# KiCad board V5_main.kicad_pcb (continued)
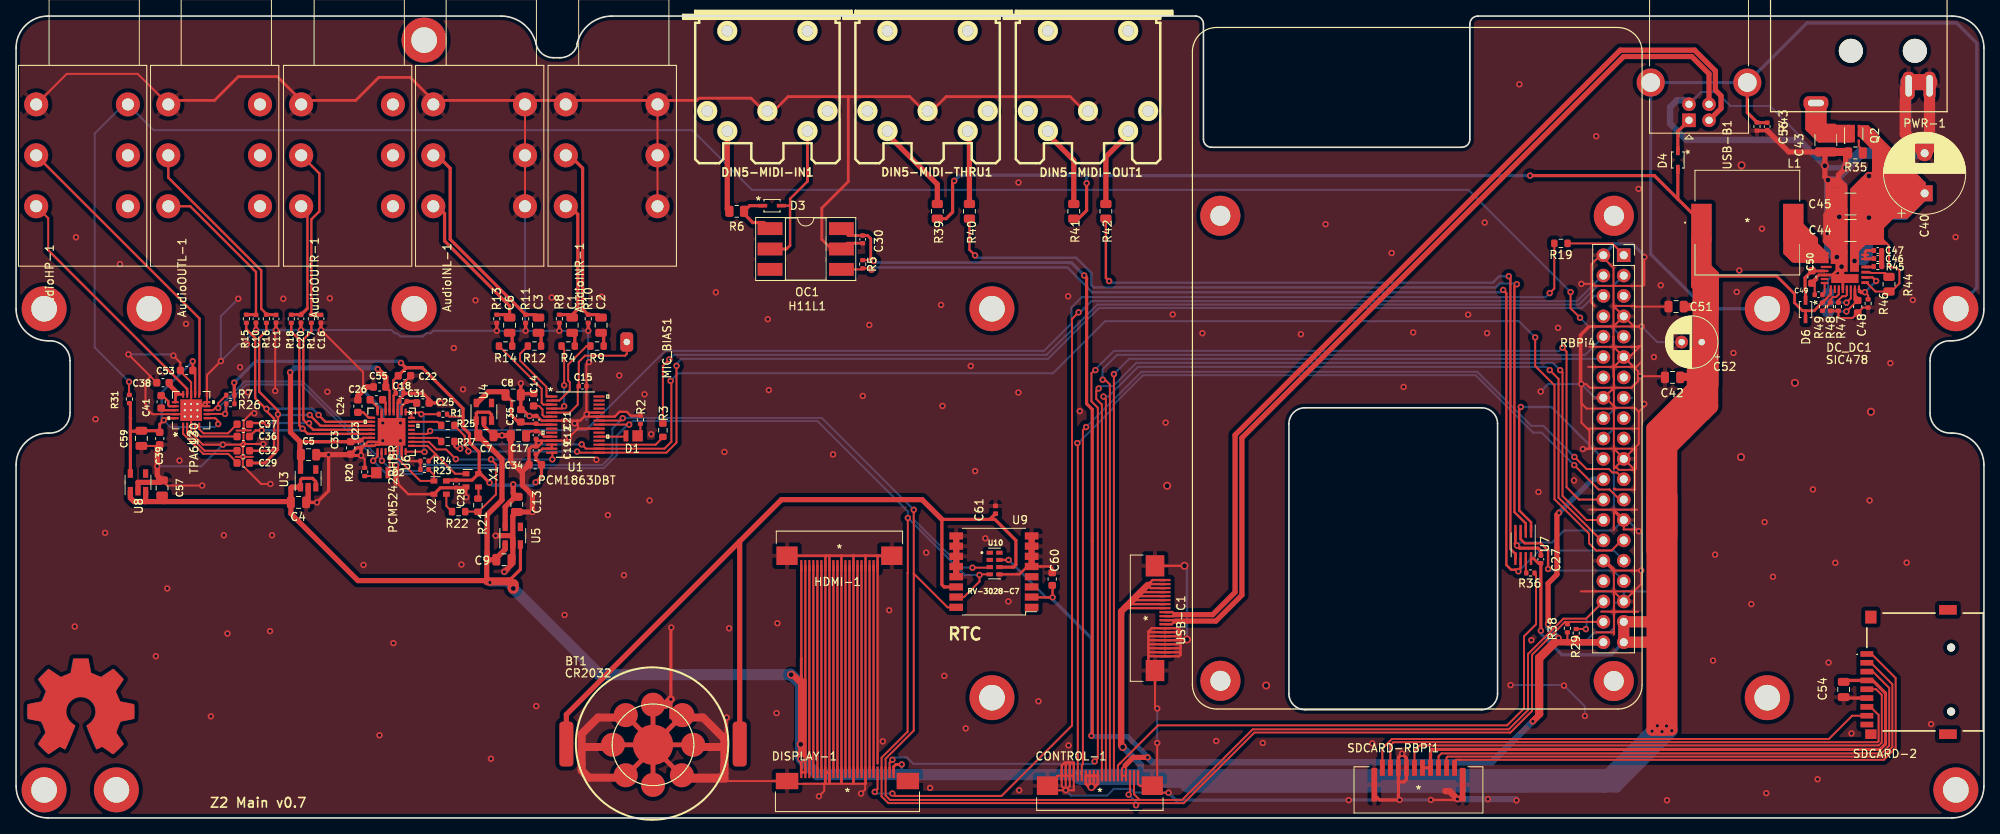
[diagram p0: board, top side]
## Routing (per net, layer and track width the routed paths; a pad name or vN(x,y) marks a point on that pad's centre or on a via; arc(x,y) is an arc through that point) (continued)
/dac/BCK: length 181.3
  Top w0.25: v1(70.48,46.59) 71.01,46.05 U1.17 80.8,46.05 81.66,46.91 81.66,54.32 81.64,54.34 ; R27.1 54.62,46.33 54.89,46.06 v1(55.34,46.06) ; RBPi4.12 200.06,34.62 198.8,33.35 196.9,33.35 196,34.25 196,35.45 191.69,39.75 191.69,53.95 189.29,56.36 v1(189.29,59.93)
  Bottom w0.25: v1(81.55,54.51) 82.49,55.45 129.19,55.45 135.69,61.95 187.26,61.95 v1(189.29,59.93) ; RBPi4.12 200.32,34.62 ; v1(55.34,46.06) 55.88,46.59 v1(70.48,46.59)
/dac/DIN: length 7.7
  Top w0.25: R19.1 198.9,71.65 200.32,70.22 RBPi4.40
  Bottom w0.25: RBPi4.40 200.32,70.08
/dac/DOUT: length 131.6
  Top w0.25: v1(81.39,57.17) 80.6,56.37 R3.2
  Bottom w0.25: v1(81.39,57.17) 81.98,57.75 128.39,57.75 130.76,60.12 130.83,60.12 134.72,64.01 194.74,64.01 196.27,65.55 196.3,65.55 197.1,66.35 199,66.35 200.28,67.64 RBPi4.38
/dac/LRCK: length 159.5
  Top w0.25: v1(56.36,45.72) 56.36,45.98 55.89,46.45 55.89,47.65 54.62,48.93 R25.1 ; v1(82.3,56.38) 82.3,46.81 81.03,45.55 U1.16 70.05,45.55 v1(69.91,45.69)
  Bottom w0.25: v1(82.3,56.38) 82.3,56.65 82.89,57.25 128.6,57.25 131.03,59.69 131.03,59.71 134.92,63.6 195.14,63.6 196.64,65.1 RBPi4.35 197.78,64.94 ; v1(69.91,45.69) 56.39,45.69 v1(56.36,45.72)
/MIDI-IN: length 137.2
  Top w0.25: 186.69,30.95 187,30.95 v1(187.19,30.75) ; v1(106.6,68.35) 106.41,68.54 R5.2 105.36,68.41 OC1.4
  Top w0.3: U7.6 187.47,31.22 187.19,30.95 186.3,30.95 185.69,31.55 185.69,65.45 v1(185.3,65.85)
  Bottom w0.25: v1(187.19,30.75) 189.8,33.35 199.1,33.35 200.32,32.12 RBPi4.10 ; v1(106.6,68.35) 106.89,68.65
  Bottom w0.3: v1(185.3,65.85) 185.19,65.85 184.89,65.55 134.1,65.55 131,68.65 106.89,68.65
/MIDI-OUT: length 17.3
  Top w0.3: U7.3 187.47,34.78 188,34.25 190,34.25 190.9,33.35 v1(190.9,31.05)
  Bottom w0.25: RBPi4.8 199.01,30.85 191.1,30.85 v1(190.9,31.05)
HPAMP_ENABLE: length 239.9
  Top w0.25: v1(193.69,65.58) 193.69,63.56 v1(194.88,62.38) ; R31.2 14.09,52.79 v1(14.09,54.39)
  Bottom w0.25: v1(194.88,62.38) 196,61.25 198.8,61.25 200.03,60.02 RBPi4.32 ; 13.94,89.39 13.94,89.48 9.8,85.34 9.8,58.68 v1(14.09,54.39) ; v1(193.69,65.58) 180.95,78.32 91.7,78.32 84.24,85.77 17.15,85.77 AudioHP-1.SN
hpoutl: length 31.4
  Top w0.25: AudioHP-1.T 4.01,74.78 4.01,70.81
  Top w0.3: 4.01,70.81 21.32,53.5 21.32,52.83
  Top w0.8: 2.51,76.78 2.51,76.64
hpoutr: length 38.7
  Top w0.3: 22.82,52.83 22.86,52.87 22.86,62.28 AudioHP-1.R
  Top w0.8: 2.51,82.71 2.51,83.13
inl+: length 20.1
  Top w0.4: R13.2 61.14,62.76 C6.2 61.49,63.85 53.39,71.95 53.39,75.37 51.99,76.78
inl-: length 26.9
  Top w0.4: 51.99,83.13 54.09,81.02 54.09,72.15 63.48,62.76 R11.2 64.73,62.76 C3.2
inr+: length 17
  Top w0.4: 68.5,76.78 69.99,75.28 69.99,63.45 69.3,62.75 C1.2 68.93,62.76 R8.2
inr-: length 23.3
  Top w0.4: 68.5,83.13 70.6,81.03 70.6,63.45 71.29,62.76 R10.2 72.54,62.76 C2.2
int1: length 112
  Top w0.25: CONTROL-1.14 v1(136.8,55.35)
  Bottom w0.25: RBPi4.29 197.56,57.25 138.69,57.25 v1(136.8,55.35)
int2: length 115.3
  Top w0.25: CONTROL-1.13 136.3,54.05 135.69,54.65 v1(135.39,54.65)
  Bottom w0.25: v1(135.39,54.65) 135.39,55.95 137.19,57.75 195.52,57.75 RBPi4.31
int3: length 129.1
  Top w0.25: CONTROL-1.12 135.8,52.25 v1(135.5,52.55) ; v1(191.1,55.85) 192.19,54.75 192.19,39.95 197.53,34.62 RBPi4.11 198.03,34.62
  Bottom w0.25: v1(191.1,55.85) 190.69,56.25 139.8,56.25 136.1,52.55 v1(135.5,52.55)
int4: length 130.1
  Top w0.25: v1(192.4,55.85) 192.69,55.55 192.69,40.15 195.69,37.16 RBPi4.13 197.79,37.16 ; v1(134.89,53.55) 134.6,53.25 134.6,52.25 135.29,51.55 CONTROL-1.11
  Bottom w0.25: v1(192.4,55.85) 191.5,56.75 139.6,56.75 136.69,53.85 135.19,53.85 v1(134.89,53.55)
int5: length 159.5
  Top w0.25: v1(134.39,7.05) 134.8,7.45 134.8,51.15 134,51.95 134,55.45 134.39,55.85 v1(134.5,55.85) ; RBPi4.15 194.75,39.7 193.19,41.25 193.19,58.15 v1(192.69,58.65) ; v1(109.2,7.25) 108.85,6.9 DISPLAY-1.23
  Bottom w0.25: v1(134.39,7.05) 134.1,6.75 111.8,6.75 110.99,7.55 109.49,7.55 v1(109.2,7.25) ; v1(134.5,55.85) 134.5,55.95 136.8,58.25 192.3,58.25 v1(192.69,58.65) ; RBPi4.15 197.95,39.7
int6: length 119.7
  Top w0.25: 132.3,46.78 132.3,5.35 ; v1(194.15,44) 197.19,40.96 198.55,40.96 199.82,39.7
  Top w0.3: RBPi4.16 199.82,39.7
  Bottom w0.25: 132.35,46.75 136.75,51.14 136.75,51.54 140.41,55.2 181.87,55.2 189.03,48.05 190.1,48.05 v1(194.15,44)
  Bottom w0.3: 132.35,46.75 v1(132.24,46.75)
int7: length 119.1
  Top w0.25: v1(194.18,45.02) 195.69,43.51 198.48,43.51 198.9,43.09 199.47,43.09 RBPi4.18 ; v1(133.33,48.75) 132.93,48.35 132.93,6.69 132.8,6.56 CONTROL-1.6
  Bottom w0.25: v1(133.33,48.75) 140.23,55.64 182.05,55.64 188.8,48.9 190.31,48.9 v1(194.18,45.02)
LEDS: length 29.5
  Top w0.3: U7.1 188.77,36.88 187.3,38.35 187.3,51.05 v1(187.5,51.25)
  Bottom w0.25: RBPi4.19 197.78,45.16
  Bottom w0.3: v1(187.5,51.25) 191.31,51.25 RBPi4.19
outl+: length 20.9
  Top w0.3: C10.1 29.89,68.09 21.7,76.28 AudioOUTL-1.T
  Top w0.4: R15.2 29.86,62.76 C10.1
outl-: length 26.1
  Top w0.3: AudioOUTL-1.R 18.97,79.85 30.55,68.28 30.55,63.5 31.2,62.85
  Top w0.4: C11.1 32.36,62.76 R16.2 31.2,62.85
OUTLN: length 33.7
  Top w0.3: v1(36.59,50.25) 37.94,48.9 U6.11 ; v1(32.63,50.33) 32.6,50.33 ; v1(32.63,50.33) 32.63,50.81 30.3,53.15 30.3,59.85 31.2,60.75 R16.1 ; v1(32.63,50.33) 32.63,45.89 32.38,45.64
  Top w0.35: C29.1 31.01,44.27 32.38,45.64
  Bottom w0.3: v1(36.59,50.25) 32.71,50.25 v1(32.63,50.33)
OUTLP: length 34.5
  Top w0.3: 31.21,50.74 32.15,49.8 32.15,46.1 31.84,45.79 C32.1 ; R15.1 28.7,60.95 29.8,59.85 29.8,52.35 31.12,51.02 ; v1(37.7,50.25) 38.54,49.4 U6.10
  Top w0.35: 31.12,51.02 v1(31.21,51.02) 31.21,50.74 ; C32.1 29.09,46.03
  Bottom w0.3: v1(37.7,50.25) 36.89,51.05 31.09,51.05
outr+: length 16.6
  Top w0.3: AudioOUTR-1.T 36.31,75.5 36.31,63.54
  Top w0.4: 36.2,76.11 35.53,76.78 ; C20.1 35.5,62.95 ; C20.1 35.47,62.76 R18.2 ; C20.1 36.31,63.54
outr-: length 22.4
  Top w0.3: AudioOUTR-1.R 37.8,80.36 37.8,75.65 36.8,74.65 R17.2
  Top w0.4: C16.1 37.97,62.76 R17.2
OUTRN: length 29.2
  Top w0.3: C37.1 29.24,49.24 v1(31.28,49.24) ; R17.1 36.8,60.65 35.8,59.65 35.8,49.65 36.22,49.23 v1(36.5,49.23) 36.5,48.94 37.04,48.4 U6.12
  Bottom w0.3: v1(31.28,49.24) 36.5,49.24 v1(36.5,49.23)
OUTRP: length 29.7
  Top w0.3: U6.13 36.35,47.9 v1(35.7,48.55) 35.3,48.95 35.3,59.65 34.3,60.65 R18.1 ; C36.1 29.85,48.33 v1(30.6,48.33)
  Top w0.35: 30.6,48.32 v1(30.6,48.33)
  Bottom w0.3: v1(30.6,48.33) 35.48,48.33
  Bottom w0.35: 35.48,48.33 v1(35.7,48.55)
RST_T: length 168.3
  Top w0.25: v1(106.99,3.25) 107.35,3.6 DISPLAY-1.20 ; 131.58,11.73 131.58,29.45 ; 131.58,11.73 131.58,11.53 122.8,2.75 109.49,2.75 v1(109.2,3.05) ; 131.58,11.73 131.58,29.65 131.58,29.45 ; 131.58,29.45 131.58,62.23 v1(132.39,63.05)
  Bottom w0.25: v1(106.99,3.25) 107.2,3.05 v1(109.2,3.05) ; RBPi4.37 197.68,67.64 194.5,64.45 134,64.45 132.6,63.05 v1(132.39,63.05)
scl: length 280.3
  Top w0.25: 121.23,31.19 U10.3 121.25,31.21 v1(119.17,31.21) ; U1.24 75.29,49.55 v1(75.6,49.85) ; v1(45.59,44.55) 45.55,44.6 U6.18 ; v1(111.86,38.43) 111.86,30.48 ; 111.86,30.48 116.07,26.27 U9.16 ; 111.86,30.48 111.86,10.9 108.35,7.38 DISPLAY-1.22 108.35,2.8 108.89,2.25 140,2.25 ; 140,2.25 145.3,2.25 154.1,11.05 186,11.05 188.4,13.45 188.4,20.45 192.8,24.85 195.64,24.85 RBPi4.5 ; 140,2.25 139.3,2.96 CONTROL-1.19 ; 23.79,50.85 24.56,50.85 24.84,51.13 v1(25.19,51.13) 25.19,51.72 R7.2 ; R29.2 195.59,23.56 v1(195.6,23.55)
  Top w0.35: 117.09,26.33 U9.16
  Bottom w0.25: v1(195.6,23.55) 195.69,23.65 195.69,24.91 RBPi4.5 ; v1(111.86,38.43) 111.86,38.56 ; v1(111.86,38.43) 100.4,49.88 75.63,49.88 v1(75.6,49.85) 74.3,48.55 74.3,45.25 73.05,44 50.99,44 50.27,43.28 46.86,43.28 v1(45.59,44.55) 35.72,54.43 28.49,54.43 v1(25.19,51.13) ; v1(111.86,38.43) 111.86,37.22 117.87,31.21 v1(119.17,31.21)
sda: length 273.1
  Top w0.25: 111.1,30.55 111.1,10.77 107.84,7.52 DISPLAY-1.21 107.84,2.7 108.7,1.85 139.37,1.85 ; 111.1,30.55 111.1,30.53 ; 111.1,30.55 111.12,30.58 v1(111.12,37.41) ; U6.17 45.05,45.1 v1(44.5,44.55) ; 23.79,50.35 23.82,50.38 v1(26.04,50.38) 26.2,50.54 R26.2 ; 121.24,30.3 U10.4 ; U10.4 120.12,30.38 v1(120.05,30.3) 120.05,29.48 118.11,27.55 U9.15 117.13,27.53 ; U10.4 121.28,30.33 ; v1(139.56,1.59) 139.56,1.66 139.37,1.85 ; 139.37,1.85 145.5,1.85 154.3,10.65 186.19,10.65 188.9,13.35 188.9,20.35 193,24.46 ; CONTROL-1.18 138.8,3.08 v1(138.63,2.91) ; v1(76.39,49.05) U1.23 ; 193,24.46 193,24.45 R38.2 ; 193,24.46 RBPi4.3
  Bottom w0.25: 26.06,50.36 v1(26.04,50.38) 26.04,51.43 28.65,54.04 35.56,54.04 44.5,45.1 v1(44.5,44.55) 46.15,42.9 50.5,42.9 51.22,43.62 73.21,43.62 74.83,45.24 74.83,47.66 76.23,49.05 v1(76.39,49.05) 76.83,49.49 99.86,49.49 111.12,38.23 v1(111.12,37.41) 118.23,30.3 v1(120.05,30.3) ; v1(138.63,2.91) 139.56,1.99 v1(139.56,1.59)
Net-(BT1-Pad1): length 115.1
  Top w0.4: 117.79,28.81 U9.14 115.65,28.81 115.36,29.09 115.36,37.23 121.33,37.23 ; 121.33,37.23 C61.2 ; 121.33,37.23 121.96,37.23 124.58,34.62 124.58,31.57 124.29,31.28 U10.6
  Top w0.65: 90.17,34.49 68.57,12.89 BT1.1 ; 90.17,34.49 95.37,39.7 112.9,39.7 115.36,37.23 ; 90.17,34.49 BT1.1
Net-(C1-Pad1): length 1.8
  Top w0.4: C1.1 69.62,60.18 R4.2
Net-(C2-Pad1): length 1.8
  Top w0.4: R9.2 73.22,60.18 C2.1
Net-(C3-Pad1): length 1.8
  Top w0.4: R12.2 65.42,60.18 C3.1
Net-(C6-Pad1): length 1.8
  Top w0.4: C6.1 61.82,60.18 R14.2
Net-(C12-Pad1): length 3.7
  Top w0.3: C17.1 64.13,48.23 C12.1 65.11,48.23 65.8,47.55 U1.11
Net-(C14-Pad2): length 3.2
  Top w0.25: C14.2 65.17,51.38 65.6,50.95 65.6,50.25 65.8,50.05 U1.6
Net-(C15-Pad2): length 16.9
  Top w0.25: U1.5 68.99,50.55 69.99,51.55 69.99,53.73 C15.2 70.11,56.87 70.89,57.65 75.89,57.65 76.1,57.85 MIC_BIAS1.1
Net-(C24-Pad2): length 2
  Top w0.3: U6.9 43.94,49.9 43.27,50.58 42.59,50.58
Net-(C25-Pad2): length 2.9
  Top w0.3: U6.2 48.05,51.3 48.67,51.93 C31.2
  Top w0.4: C25.2 49.72,51.95 C31.2
Net-(C26-Pad1): length 2.3
  Top w0.3: C26.1 45.05,51.22 U6.8 45.05,51
Net-(C26-Pad2): length 1.7
  Top w0.3: U6.6 46.04,51.78 C26.2
Net-(C29-Pad2): length 9.2
  Top w0.25: C29.2 27.54,44.31 26.44,45.4 23.33,45.4 20.81,47.91 U2.1
Net-(C32-Pad2): length 8
  Top w0.25: C32.2 23.49,45.79 21.32,47.97 U2.2
Net-(C36-Pad2): length 6.1
  Top w0.25: U2.4 22.31,48.24 22.98,47.57 C36.2
Net-(C37-Pad2): length 5.8
  Top w0.25: 27.54,49.08 C37.2 26.41,47.96 23.35,47.96 22.82,48.5 U2.5
Net-(C38-Pad2): length 8.9
  Top w0.3: C38.2 19.08,53.83 19.84,53.07 U2.16 19.84,52.52 20.14,52.83 20.81,52.83 20.53,52.83 ; 20.43,52.85 18.98,54.31 ; 20.24,52.82 18.79,54.28
Net-(C40-Pad1): length 349.5
  Top w0.25: 234.07,75.07 231.88,72.88 ; 231.72,71.61 230.02,71.61 ; 231.72,71.61 233.12,71.61 ; 231.72,71.61 231.72,72.81 231.47,73.06 231.67,73.06 233.12,71.61 ; 229.64,86.08 230.76,86.08 ; 231.39,83.37 229.61,85.14 Q2.2 230.73,86.26 237.81,79.18 C40.1 ; 231.39,83.37 231.39,80.58 v2(230.87,80.06) 233.04,77.89 ; 231.39,83.37 236.03,78.72 236.03,78.11 235.82,77.89 ; 233.12,71.61 233.37,71.36 233.37,68.96 233.67,68.66 234.27,68.66 234.67,68.26 234.67,66.66 233.66,65.65 R44.1 231.69,65.65 230.57,66.76 DC_DC1.1 ; 233.04,77.89 233.04,77.03 v2(230.87,74.86) 235.62,74.86 237.81,77.05 C40.1 ; 233.04,77.89 235.82,77.89 ; C40.1 235.82,77.89 ; 228.67,78.39 230.12,79.84 ; 229.61,85.07 229.61,85.65 ; 228.99,78.7 230.44,80.15
  Top w0.3: 230.07,76.59 C45.1
  Top w0.4: v2(229.07,69.46) 229.07,70.06 228.74,70.39 DC_DC1.8 228.74,77.09 229.94,77.09 230.05,76.98 C45.1 ; C45.1 230.05,76.94 231.27,78.16 231.47,77.96 231.47,75.14 ; C45.1 230.05,77.29 ; 228.74,72.25 228.74,78.35 ; 231.18,78.07 231.18,75.25 ; 231.46,77.97 231.46,75.15
  Top w0.65: 229.23,77.24 229.23,75.76 ; 230.75,79.3 230.75,77.82 ; 231.05,79.48 231.05,78 ; 230.88,77.55 230.88,76.07 ; 229.68,75.16 231.16,75.16 ; 229.76,74.83 231.24,74.83 ; 230.83,72.8 230.83,74.27 ; 232.58,71.83 231.1,71.83 ; 232.1,71.81 230.62,71.81 ; 231.94,72.41 230.47,72.41 ; 232.2,72.16 230.72,72.16 ; 229.08,78.34 229.08,76.86 ; 230.53,79.57 230.53,78.09 ; 230.19,79.6 230.19,78.12 ; 229.76,79.11 229.76,77.63 ; 229.34,78.67 229.34,77.19 ; 231.06,80.08 231.06,78.6
  Top w0.8: v2(229.07,69.46) 229.07,70.66 231.47,73.06 ; 231.47,73.06 231.27,73.26 C44.1 ; 231.47,73.06 231.47,75.14 C45.1
  Top w1: 230.67,72.86 230.67,73.26 ; 230.67,72.86 229.67,71.86 ; 230.67,72.86 230.05,72.23 C44.1 ; v2(230.87,80.06) 230.8,79.98 ; v2(229.07,69.46) 229.07,75.59 C45.1
  Top w1.4: 232.01,79.98 232.01,82.78 ; 234.97,75.54 234.97,78.33 ; 235.9,76.09 235.9,78.89 ; 232.22,75.56 232.22,78.34 ; 233.03,75.58 233.03,78.37 ; 232.05,72.22 232.05,75.01 ; 233.12,78.65 233.12,81.44 ; 237.02,77.76 237.02,77.15 ; 234.62,75.53 234.62,78.32 ; 234.78,78.47 234.78,81.26 ; 230.29,85.56 237.37,78.48 ; 231.8,72.27 231.8,75.06 ; 233.89,78.48 233.89,81.27 ; 232.03,76.98 232.03,79.77 ; 232.34,74.26 232.34,77.05 ; 231.77,73.69 231.77,76.48 ; 236.21,76.38 236.21,79.17 ; 232.44,80.01 232.44,79.4 ; 231.47,76.42 231.47,79.21 ; 235.44,75.67 235.44,78.46 ; 235.68,79.17 235.68,78.56 ; 232.92,74.82 232.92,77.61 ; 236.55,76.7 236.55,79.48 ; 232.41,77.28 232.41,80.07 ; 236.46,79.16 236.46,78.55 ; 233.8,75.56 233.8,78.34
  Bottom w0.25: v2(230.87,80.06) 236.94,80.06 237.81,79.19 C40.1 237.81,77 235.53,74.72 233.68,74.72 230.87,71.91
  Bottom w1: 236.99,76.84 231.79,76.84 ; 234.35,75.46 235.55,75.46 ; 229.71,70.13 229.71,75.33 ; 237.31,78.98 232.11,78.98 ; 231.39,73.01 231.39,78.21 ; 232.61,74.42 234.41,76.22 ; 232.48,74.14 232.48,79.34 ; 236.09,75.87 230.89,75.87 ; 232.42,74.4 232.42,79.6 ; 236.55,76.43 231.35,76.43 ; 231.94,73.55 231.94,78.75 ; 236.92,79.52 231.72,79.52 ; 234.01,75.16 235.21,75.16 ; 237.29,78.17 232.09,78.17 ; 231.73,74.42 231.73,79.62 ; 230.13,70.04 230.13,75.24 ; 229.62,72.9 229.62,78.1 ; 230.13,73.32 230.13,78.52 ; 237.48,77.33 232.28,77.33 ; v2(230.87,74.86) v2(230.87,80.06) 229.07,78.26 v2(229.07,69.46) 230.27,69.46 230.87,70.06 v2(230.87,74.86)
Net-(C41-Pad1): length 1.9
  Top w0.25: 18.34,50.85 C41.1
  Top w0.3: U2.18 18.34,50.85
Net-(C41-Pad2): length 2.6
  Top w0.25: 18.27,52.66 C41.2
  Top w0.3: 18.27,52.66 18.97,51.96 18.97,51.48 19.1,51.35 U2.17
Net-(C43-Pad1): length 30.4
  Top w0.25: 224.33,85.36 225.28,84.41 ; 224.3,85.6 225.25,84.65 ; 225.48,86.03 225.5,86.01 ; 226.45,85.06 226.45,85.01
  Top w1: 225.49,85.94 228.62,85.94 ; 228.63,84.72 224.75,84.72 223.44,86.04 223.44,89.18 ; 225.11,89.12 225.11,85.98 ; 225.26,85.33 228.39,85.33 ; PWR-1.1 224.26,86.03 ; 224.94,85.62 228.07,85.62 ; 228.59,85.01 225.46,85.01
Net-(C46-Pad1): length 3.2
  Top w0.35: C46.1 231.44,69.71 DC_DC1.5 DC_DC1.6 230.4,70.59 230.57,70.76 C47.1
Net-(C46-Pad2): length 2
  Top w0.65: R45.1 232.45,68.79 C47.2
Net-(C48-Pad2): length 6.9
  Top w0.25: v1(228.07,63.16) 229.45,64.54 C48.2 229.47,64.86 229.12,65.21
  Top w0.35: 229.4,64.36 229.12,64.64 DC_DC1.26
  Bottom w0.25: v1(228.07,63.16) 225.97,63.16 JP2.1
Net-(C49-Pad2): length 1.9
  Top w0.25: 225.02,66.71 DC_DC1.19 225.35,65.52 C49.2
Net-(C50-Pad1): length 5.6
  Top w0.25: 222.98,65.66 222.92,65.72
  Top w0.35: DC_DC1.16 223.8,68.21
  Top w0.4: 222.92,65.72 222.92,67.38 223.77,68.23 ; D6.1 222.98,65.66
Net-(C54-Pad1): length 72.4
  Top w0.25: C54.1 227.91,17.15
  Top w0.4: 227.91,17.15 SDCARD-2.4 231.35,17.15 232.94,15.56 232.94,9.23 232.26,8.55 176.44,8.55 176.25,8.35 SDCARD-RBPi1.7 SDCARD-RBPi1.6
Net-(C56-Pad2): length 127.6
  Top w0.25: 216.94,86.74 R43.1 216.95,86.7
  Top w0.4: 216.77,91.16 215.72,92.21 ; C56.2 216.95,86.7 ; USB-B1.5 215.72,87.95 216.94,86.74 ; 203.47,91.99 203.68,92.21
  Bottom w0.25: 240.92,63.5 242.11,63.5 242.22,63.6
  Bottom w0.4: REF**#11.1 210.49,63.5 203.68,70.3 USB-B1.5 USB-B1.5 223.15,99.13 241.8,99.13 244.32,96.61 244.32,66.12 REF**#2.1
Net-(CONTROL-1-Pad15): length 72.4
  Top w0.25: CONTROL-1.15 137.3,6.54 137.6,6.84 137.6,6.85 142.3,11.55 185.8,11.55 187.9,13.65 187.9,22.65 189.4,24.15 189.4,30.25 189.21,30.44 R36.2
Net-(D1-Pad1): length 1.6
  Top w0.25: R2.2 77.8,48 D1.1
Net-(D1-Pad2): length 3.4
  Top w0.25: U1.20 75.89,47.55 D1.2
Net-(D2-Pad1): length 1.6
  Top w0.25: D2.1 44.48,42.64 R20.2
Net-(D2-Pad2): length 2.7
  Top w0.25: U6.20 46.55,43.25 D2.2
Net-(D3-Pad1): length 6.9
  Top w0.4: OC1.1 93.19,74.25 91.8,74.25 90.71,75.34 R6.1 91.41,76.35 D3.1
Net-(D3-Pad2): length 18.5
  Top w0.3: 96.45,76.4 96.45,77.21 98.61,79.38 ; 96.45,76.4 96.45,71.4 ; 96.45,76.4 96.39,76.35 D3.2
  Top w0.35: 96.45,71.4 95.99,70.95 OC1.2 ; 98.61,85.23 98.61,79.38
Net-(D4-Pad1): length 4.4
  Top w0.4: D4.1 207.06,85.61 USB-B1.1
  Top w0.65: 208.5,87.46 208.45,87.5
Net-(DC_DC1-Pad2): length 5.7
  Top w0.25: v1(230.37,65.56) 230.77,65.16 R46.1
  Top w0.3: DC_DC1.2 231.32,67.41 v1(231.77,66.96) ; DC_DC1.27 229.87,65.69 229.87,65.46 230.27,65.46 v1(230.37,65.56)
  Bottom w0.3: v1(231.77,66.96) v1(230.37,65.56)
Net-(DC_DC1-Pad3): length 3.2
  Top w0.25: DC_DC1.3 230.97,68.06 231.07,67.96 232.89,67.96 R44.2
Net-(DC_DC1-Pad4): length 1.1
  Top w0.35: DC_DC1.4 231.41,68.71 R45.2
Net-(DC_DC1-Pad12): length 50.5
  Top w0.35: 225.27,70.66 224.37,71.56 222.9,71.56 ; 225.27,70.66 225.35,70.59 DC_DC1.12 224.25,70.36 224.17,70.28 ; 225.27,70.66 223.8,70.66 222.9,71.56 ; DC_DC1.13 224.17,69.86 ; 224.17,69.86 224.17,70.28 ; 224.17,69.86 224.17,69.36 DC_DC1.14 ; 224.17,70.28 222.9,71.56
  Top w0.65: 223.27,72.46 221.87,73.86 ; 221.3,71.68 221.3,71.86 223.67,71.86 224.77,70.76 224.77,70.66 ; 222.18,74.18 224.2,72.16 224.2,71.54 222.8,72.94 ; 224.17,70.28 222.7,70.28 ; 223.47,71.36 222.07,72.76
  Top w0.8: 223.55,69.64 221.7,69.64 ; 224,69.64 222.15,69.64 221.23,70.55 221.23,72.72 ; 224.17,70.28 225.25,70.28 225.37,70.16 225.07,70.16 225.37,69.86 224.87,69.86 224.67,69.66 224.17,69.66 ; 223.45,71.98 221.85,71.98 ; 222.32,69.64 221.41,70.55 ; 221.51,69.64 220.59,70.55 220.59,72.72
  Top w1: 222.5,70.64 223.3,69.84 ; 222.42,72.91 223.22,72.11 ; 221.45,71.66 222.25,70.86 ; 222.57,71.06 223.87,71.06 ; 221.3,71.86 221.77,71.86 ; 222.37,71.45 223.67,71.45
Net-(DC_DC1-Pad22): length 3.8
  Top w0.25: DC_DC1.22 227.12,65.31 226.77,64.96 226.37,64.96 226.07,64.66 R48.1 225.07,63.27 R49.1
Net-(DC_DC1-Pad24): length 2.3
  Top w0.25: DC_DC1.24 228.12,65.21 227.97,65.06 227.57,65.06 227.07,64.56 R47.2
Net-(DC_DC1-Pad25): length 4.2
  Top w0.25: v1(228.07,64.26) 228.62,64.81 DC_DC1.25
  Bottom w0.25: v1(228.07,64.26) JP2.2
Net-(DIN5-MIDI-IN1-Pad4): length 9.7
  Top w0.65: R6.2 88.62,75.91 88.62,85.23
Net-(DIN5-MIDI-OUT1-Pad4): length 10
  Top w0.65: 128.58,85.23 131.8,82.01 R41.1
Net-(DIN5-MIDI-OUT1-Pad5): length 9.8
  Top w0.65: R42.1 135.8,82.45 138.57,85.23
Net-(DIN5-MIDI-THRU1-Pad4): length 11.2
  Top w0.65: 108.59,85.23 114.8,79.02 R39.1
Net-(DIN5-MIDI-THRU1-Pad5): length 8.8
  Top w0.65: R40.1 118.8,85.01 118.58,85.23
Net-(DISPLAY-1-Pad3): length 25.8
  Top w0.3: DISPLAY-1.3 HDMI-1.18
Net-(DISPLAY-1-Pad4): length 25.8
  Top w0.3: HDMI-1.17 DISPLAY-1.4
Net-(DISPLAY-1-Pad5): length 25.8
  Top w0.3: DISPLAY-1.5 HDMI-1.16
Net-(DISPLAY-1-Pad6): length 25.8
  Top w0.3: DISPLAY-1.6 HDMI-1.15
Net-(DISPLAY-1-Pad9): length 25.8
  Top w0.3: DISPLAY-1.9 HDMI-1.12
Net-(DISPLAY-1-Pad10): length 25.8
  Top w0.3: DISPLAY-1.10 HDMI-1.11
Net-(DISPLAY-1-Pad12): length 25.8
  Top w0.3: DISPLAY-1.12 HDMI-1.9
Net-(DISPLAY-1-Pad13): length 25.8
  Top w0.3: DISPLAY-1.13 HDMI-1.8
Net-(DISPLAY-1-Pad15): length 25.8
  Top w0.3: DISPLAY-1.15 HDMI-1.6
Net-(DISPLAY-1-Pad16): length 25.8
  Top w0.3: DISPLAY-1.16 HDMI-1.5
Net-(DISPLAY-1-Pad18): length 25.8
  Top w0.3: HDMI-1.3 DISPLAY-1.18
Net-(DISPLAY-1-Pad19): length 25.8
  Top w0.3: DISPLAY-1.19 HDMI-1.2
Net-(P11-Pad1): length 1
  Bottom w0.25: 200.32,52.42 RBPi4.26 201.34,52.4
Net-(P23-Pad1): length 0.5
  Bottom w0.25: RBPi4.33 198.29,62.56
Net-(Q2-Pad1): length 1.7
  Top w0.25: Q2.1 229.61,83.77 230.11,83.28 R35.2
Net-(R1-Pad1): length 12.2
  Top w0.25: 49.14,50.5 49.02,50.62 U6.1 ; 49.14,50.5 49.27,50.38 U6.32 ; 49.14,50.5 49.2,50.55 50.3,50.55 v1(50.5,50.35) R1.1 ; v1(50.89,45.65) 50.87,45.68 U6.24
  Bottom w0.25: v1(50.5,50.35) 50.8,50.05 50.8,45.75 v1(50.89,45.65)
Net-(R3-Pad1): length 8.4
  Top w0.25: R3.1 80.6,47.45 79.7,46.55 U1.18
Net-(R4-Pad1): length 9.3
  Top w0.25: v1(68.3,53.95) 68.3,58.53 R4.1 ; v1(68.3,51.35) 67.99,51.05 U1.4
  Bottom w0.25: v1(68.3,51.35) v1(68.3,53.95)
Net-(R9-Pad1): length 9.8
  Top w0.25: U1.2 67.69,52.05 68.99,53.35 68.99,54.35 68.8,54.55 68.8,56.55 71.1,58.85 R9.1
Net-(R12-Pad1): length 8.7
  Top w0.25: U1.1 66.1,52.55 66.1,53.75 62.8,57.05 62.8,57.88 R12.1
Net-(R14-Pad1): length 10.6
  Top w0.25: U1.3 65.7,51.55 65.49,51.75 65.49,53.53 R14.1
Net-(R19-Pad2): length 156.7
  Top w0.25: v1(51.59,48.25) 51.24,47.9 U6.28 ; v1(191.1,65.45) 191.67,66.03 R19.2 191.67,71.62
  Bottom w0.25: v1(191.1,65.45) 190.6,64.95 132.8,64.95 131.5,63.65 131.5,61.65 128.1,58.25 80.89,58.25 71.01,48.37 51.71,48.37 v1(51.59,48.25)
Net-(R21-Pad1): length 1.5
  Top w0.25: 57.55,39.83 57.62,39.9 X1.3
Net-(R21-Pad2): length 29.2
  Top w0.25: v1(59.19,44.72) 59.8,44.11 59.8,40.35 57.62,38.18 R21.2 57.52,38.2 R22.2 ; v1(54.8,44.75) 53.59,45.95 52.39,45.95 51.45,46.9 U6.26 ; 67.3,45.55 U1.15 66.83,45.47 v1(66.83,44.72)
  Bottom w0.25: v1(54.8,44.75) 54.83,44.72 v1(59.19,44.72) v1(66.83,44.72)
Net-(R22-Pad1): length 2.5
  Top w0.25: 53.62,40.38 53.62,38.9 R22.1
Net-(R23-Pad1): length 8.6
  Top w0.25: U6.21 47.05,45 47.3,44.75 47.64,44.75 50.37,42.03 52.07,42.03 52.07,42.78 R23.1
Net-(R24-Pad1): length 9.5
  Top w0.25: 52.27,45.38 54.72,42.93 56.07,42.93 ; 52.27,45.38 51.25,46.4 U6.25 ; 52.27,45.38 51.41,44.51 R24.1
Net-(R25-Pad2): length 3.9
  Top w0.25: U6.31 52.52,49.4 R25.2
Net-(R27-Pad2): length 3.9
  Top w0.25: U6.27 52.52,47.4 R27.2
Net-(R36-Pad1): length 1.8
  Top w0.25: U7.7 188.12,30.62 R36.1
Net-(R40-Pad2): length 107.1
  Top w0.3: 119.18,74.74 R40.2 118.8,70.85 v1(119.49,70.15) ; U7.2 188.12,36.72 186.69,38.15 186.69,66.35 186.8,66.35 v1(187,66.55)
  Bottom w0.3: v1(119.49,70.15) 119.8,69.85 132.1,69.85 134,67.95 134,66.45 134.3,66.15 184.39,66.15 184.89,66.65 186.89,66.65 v1(187,66.55)
Net-(R42-Pad2): length 94.2
  Top w0.3: R42.2 135.8,67.35 v1(136.19,66.95) ; 186.82,32.83 U7.5 186.82,32.93 186.19,33.55 186.19,67.35 v1(186,67.55)
  Bottom w0.3: v1(186,67.55) 184.8,67.55 184,66.75 136.39,66.75 v1(136.19,66.95)
Net-(RBPi4-Pad21): length 1.8
  Bottom w0.25: RBPi4.21 197.86,47.32 199.1,48.55
Net-(RBPi4-Pad23): length 4.2
  Bottom w0.25: 197.29,49.86 RBPi4.23 198,49.86 199.3,51.15 201,51.15
Net-(SDCARD-2-Pad1): length 70
  Top w0.25: SDCARD-2.1 231.19,20.45 234.21,17.44 234.21,8.73 232.72,7.25 179.94,7.25 179.93,7.26 179.43,7.26 179.24,7.08 SDCARD-RBPi1.10
Net-(SDCARD-2-Pad2): length 69.5
  Top w0.25: SDCARD-RBPi1.9 178.24,7.52 178.38,7.65 232.57,7.65 233.8,8.87 233.8,16.67 231.12,19.35 SDCARD-2.2
Net-(SDCARD-2-Pad3): length 69
  Top w0.25: SDCARD-2.3 231.37,18.25 233.41,16.21 233.41,9.03 232.42,8.05 177.61,8.05 177.24,7.69 SDCARD-RBPi1.8
Net-(SDCARD-2-Pad5): length 68.8
  Top w0.25: SDCARD-RBPi1.5 174.24,8.36 174.94,9.05 232.11,9.05 232.48,9.42 232.48,15.34 231.77,16.05 SDCARD-2.5
Net-(SDCARD-2-Pad7): length 69
  Top w0.25: SDCARD-RBPi1.2 171.24,9.06 171.63,9.45 231.96,9.45 232.08,9.58 232.08,12.84 231.06,13.85 SDCARD-2.7
Net-(SDCARD-2-Pad8): length 64.5
  Top w0.25: SDCARD-RBPi1.1 170.24,8.66 171.44,9.85 225.88,9.85 228.79,12.75 SDCARD-2.8
Net-(USB-B1-Pad2): length 118.9
  Top w0.3: USB-C1.10 144.21,25.16 144.39,25.35 144.08,25.66 USB-C1.9
  Top w0.65: 144.39,25.35 149.1,25.35 151.89,28.15 151.89,47.75 199.9,95.75 209.15,95.75 211.75,93.15 211.75,90.75 212.44,90.05 212.44,88.49 USB-B1.2 ; 211.04,87.5 210.95,87.5
Net-(USB-B1-Pad3): length 114.1
  Top w0.3: USB-C1.12 144.01,24.16 144.39,24.55 144.28,24.66 USB-C1.11
  Top w0.65: 144.39,24.55 149.5,24.55 152.75,27.8 152.75,47.4 200.3,94.95 208.8,94.95 210.95,92.79 210.95,89.5
unconnected-(RBPi4-Pad7): length 0.1
  Top w0.25: 197.71,29.54 RBPi4.7
  Bottom w0.25: RBPi4.7 197.81,29.54
unconnected-(RBPi4-Pad36): length 0.2
  Bottom w0.25: RBPi4.36 200.14,65.1

## Copper pours and planes (outline as drawn; the poured copper is in the pictures)
GND on Top: 246.8,-5.35 -3.2,-5.35 -3.2,104.65 246.8,104.65
GND on Bottom: 251.8,-10.35 -8.2,-10.35 -8.2,109.65 251.8,109.65

## Text on the board
B.Silkscreen: CHASSIS GND | 4.2A | 3A | 6A | PSU Current Limit | Z2 Main v0.7 | BAT CR2032 | DISPLAY-1 | CONTROL-1 | SDCARD-1
F.Silkscreen: Z2 Main v0.7 | RTC
